# KiCad board Commodore-Vic-20.kicad_pcb (continued)
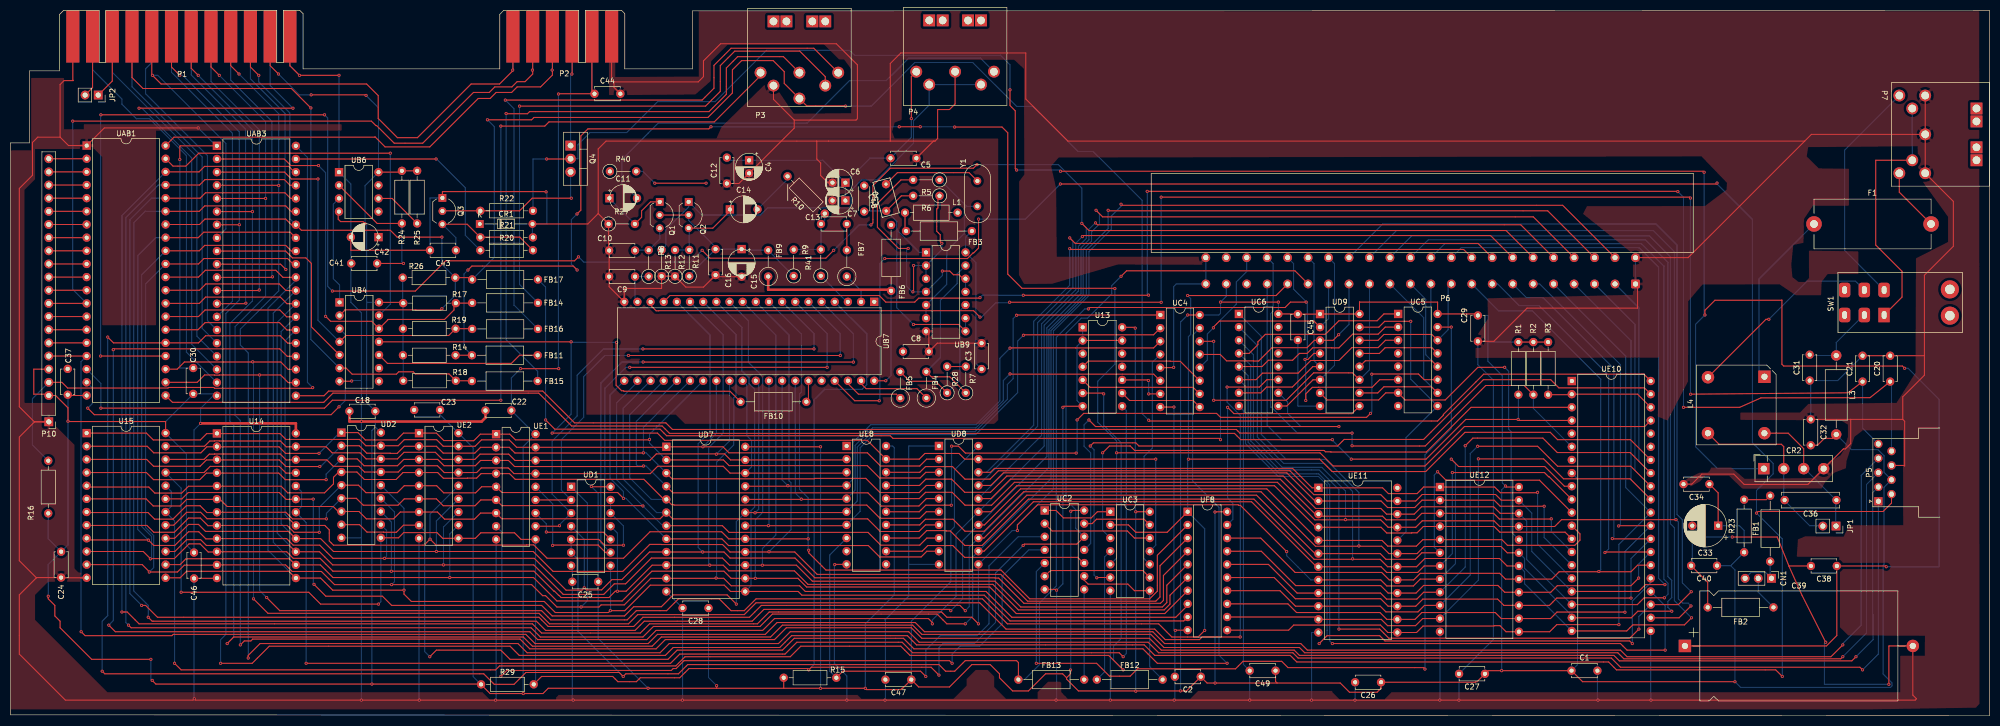
[diagram p0: board, top side]
## Routing (per net, layer and track width the routed paths; a pad name or vN(x,y) marks a point on that pad's centre or on a via; arc(x,y) is an arc through that point) (continued)
  Bottom w0.2: v1(98.3,117.7) 98.3,83.26 FB14.1
Serial_5: length 119.8
  Top w0.2: P3.5 155.11,128.88 139.14,128.88 135.84,125.58 135.84,121.16 133.55,118.87 v1(95.55,118.87)
  Bottom w0.2: FB16.1 97.33,79.2 97.23,79.2 97.23,117.2 v1(95.55,118.87)
SO1: length 32.5
  Top w0.2: UC3.8 217.01,24.14 215.75,25.4 208.08,25.4 207.31,26.16 UC2.9
  Bottom w0.2: FB12.2 219.97,9.44 UC3.8
SO2: length 512.8
  Top w0.2: v1(250.16,79.86) 247.14,79.86 246.1,78.82 208.41,78.82 v1(208.13,78.54) ; v1(17.73,8.59) 18.24,8.08 91.39,8.08 93.42,6.05 97.23,6.05 99.52,8.33 117.55,8.33 v1(118.31,7.57) 118.82,8.08 128.98,8.08 130.76,9.86 179.27,9.86 180.54,8.59 182.32,8.59 184.35,10.62 194.26,10.62 194.61,10.26 FB13.1 ; v1(249.94,68.78) 250.49,68.78 251.65,69.94 UD9.4 ; v1(118.36,32.92) 114.71,32.92 113.59,34.04 UD1.5 ; v1(250.09,60.86) 250.09,62.13 251.36,63.4 252.58,63.4 252.6,63.42 262.91,63.42 264.36,64.87 UC5.6 ; UAB3.25 53.54,71.93 52.12,73.36 37.69,73.36 36.32,71.98 UAB1.25 19.91,71.98 v1(18.8,73.1)
  Bottom w0.2: UD1.5 UD1.6 109.59,30.16 109.59,21.23 109.58,21.22 109.58,16.31 v1(118.31,7.57) ; v1(208.13,78.54) 207.42,78.54 201.93,73.05 201.93,25.03 198.67,21.77 198.67,9.85 195.78,6.96 FB13.1 ; v1(118.36,32.92) 118.36,36.63 UD1.12 UD1.13 ; v1(18.8,73.1) 18.8,19.3 17.73,18.24 v1(17.73,8.59) ; P6.V 247.74,87.29 247.74,82.36 250.16,79.93 v1(250.16,79.86) 250.24,79.86 250.39,79.71 250.39,69.24 v1(249.94,68.78) 250.09,68.63 v1(250.09,60.86)
VIDEO_3: length 89.7
  Bottom w0.2: C11.2 118.06,102.84 118.06,107.39 123.14,112.47 123.14,112.5 125.04,114.4 153.77,114.4 162,122.63 169.11,122.63 173.45,126.96 187.29,126.96 P4.3
VIDEO_4: length 86
  Bottom w0.2: P4.5 P4.4 177.39,117.89 174.36,114.86 174.36,110.51 167.29,103.45 164.32,103.45 162.31,101.44 162.31,98.47 161.9,98.05 146.18,98.05 144.79,96.66 133.51,96.66 Q2.1 130.96,98.24 126.53,93.81 126.53,90.74 R13.2
VRW: length 468.5
  Top w0.2: UD2.10 74.93,34.34 75.93,35.34 82.36,35.34 83.46,34.24 UE2.10 89.76,34.24 90.83,35.31 97.33,35.31 98.6,34.04 UE1.10 ; UC2.12 205.89,33.12 195.78,33.12 v1(195.53,32.87) ; R29.2 102.57,7.57 116.28,7.57 117.3,6.55 120.85,6.55 121.62,7.32 129.24,7.32 131.01,9.09 153.87,9.09 v1(154.13,8.84) 154.64,9.35 177.75,9.35 v1(179.27,7.82) ; v1(71.07,21.54) 59.89,21.54 57.61,23.83 v1(32.97,23.83) ; v1(214.43,84.84) 215.49,85.9 248,85.9 P6.17 ; 55.12,46.84 53.21,46.84 51.92,48.13 38.58,48.13 37.38,46.94 U15.21
  Bottom w0.2: v1(179.27,7.82) 179.27,13.16 180.04,13.92 186.13,13.92 190.2,17.98 190.2,27.53 v1(195.53,32.87) ; UD2.10 71.53,22 v1(71.07,21.54) ; R29.2 101.4,6.4 UE1.10 ; UC2.12 205.69,36.17 205.69,39.78 203.81,41.66 203.81,73.81 206.76,76.76 207.95,76.76 212.63,81.44 212.63,83.04 v1(214.43,84.84) ; v1(154.13,8.84) 155.17,9.88 155.17,60.99 157.2,63.02 164.44,63.02 165.34,63.91 165.34,73.73 UB7.4 ; U15.21 32.97,43.94 v1(32.97,23.83)
~{RES}: length 465.6
  Top w0.2: v1(47.96,123.65) 46.35,125.25 P1.3 ; UE10.40 315.37,65.94 284.43,65.94 276.66,58.17 276.66,58.01 275.54,56.9 219.91,56.9 v1(219.76,57.05) ; R26.2 88.8,84.58 FB17.2 ; v1(83.31,78.59) 83.06,78.33 78.28,78.33 78.25,78.37 64.6,78.37 64.52,78.28 64.52,78.23 UB4.2 ; UAB1.34 36.53,94.84 37.57,95.89 53.15,95.89 54.25,94.79 UAB3.34 56.18,93.73 73.36,93.73 74.68,92.41 v1(83.31,92.41) ; v1(92.1,115.06) 100.63,115.06 101.09,115.52 134.67,115.52 139.4,120.24 139.4,124.71 141.17,126.49 147.27,126.49 149.4,124.36 149.4,122.09 P3.6 153.74,117.75 161.19,117.75 v1(161.24,117.7)
  Bottom w0.2: v1(219.76,57.05) 218.49,58.32 218.49,99.52 209.07,108.94 206.15,108.94 197.44,117.64 194.27,117.64 185.79,126.12 174.61,126.12 166.19,117.7 v1(161.24,117.7) ; v1(83.31,92.41) 83.31,87.17 R26.2 85.9,81.18 v1(83.31,78.59) ; UAB3.34 53.96,95.95 53.96,116.37 47.96,122.38 v1(47.96,123.65) ; v1(92.1,115.06) 93.42,113.74 93.42,88.49 FB17.2
Net-(C13-Pad1): length 12.5
  Bottom w0.2: R9.2 151.26,90.01 R41.2 156.49,90.04 C13.1 157.23,95.68 R10.1
Net-(C13-Pad2): length 5.1
  Top w0.2: FB7.2 C13.2
Net-(C14-Pad2): length 9
  Bottom w0.2: 150.06,104.34 150.06,103.58 C14.2
Net-(C48-Pad1): length 19.3
  Top w0.2: Y1.2 185.09,104.85 171.25,104.85 168.96,102.57
Net-(C48-Pad2): length 55.4
  Top w0.2: R6.2 172.01,100.38 C48.2 ; v1(174.35,75.54) 183.08,75.54 UB9.8
  Bottom w0.2: v1(174.35,75.54) 171.13,78.76 171.13,93.81 ; UB9.9 UB9.8 ; 171.13,93.81 171.13,95.42 C48.2 164.96,97.46 C50.2 ; 171.13,93.81 175.48,89.46 UB9.1
Net-(CN1-Pin_1): length 9.4
  Bottom w0.2: CN1.3 336.06,27.67 338.84,27.67 CN1.1 339.75,26.76 FB1.1
Net-(CN1-Pin_2): length 6.8
  Bottom w0.2: CN1.2 337.45,23.84 FB2.1
Net-(CR1-K): length 31.1
  Top w0.2: 83.31,97.49 R22.1 98.3,97.49 100.74,99.92 v1(108.31,99.92)
  Bottom w0.2: v1(108.31,99.92) 108.15,100.08 Q4.3
Net-(CR2-+): length 493.7
  Top w0.2: v1(327.15,77.37) 327.15,78.28 329.08,80.21 341.99,80.21 342.01,80.24 342.01,67.87 342.37,67.51 365.28,67.51 v1(365.71,67.08) ; v1(192.99,120.85) 192.99,117.81 194.01,116.79 194.01,105.61 v1(194.26,105.36) ; 108,107.49 v1(103.53,107.49) ; v1(327,104.93) 326.8,105.13 v1(202.74,105.13) ; C39.1 350.61,13.46 352.61,15.47 C38.1 362,28.91 v1(362.15,28.75)
  Bottom w0.2: v1(365.71,67.08) 366.37,67.08 372.36,61.09 372.36,28.75 v1(362.15,28.75) ; v1(192.99,120.85) 192.99,125.68 191.16,127.51 162.96,127.51 162,128.47 145.97,128.47 136.06,118.57 124.96,118.57 118.99,112.59 111.91,112.59 109.58,110.26 109.58,107.54 Q4.2 ; v1(202.74,105.13) 202.51,105.36 v1(194.26,105.36) ; CR2.1 329.58,47.69 325.35,51.92 325.35,75.57 v1(327.15,77.37) 327,77.52 v1(327,104.93) ; R22.2 100.89,107.49 v1(103.53,107.49)
Net-(F1-Pad1): length 34.3
  Bottom w0.2: L4.1 337.59,66.49 337.59,84.32 F1.1
Net-(FB1-Pad2): length 5.3
  Top w0.2: R23.2 338.99,41.71 FB1.2
Net-(FB3-Pad2): length 3.6
  Top w0.2: L1.1 172.72,93.78 FB3.2
Net-(FB4-Pad2): length 33
  Top w0.2: FB4.2 177.81,65.43 181.36,65.43 R7.1
  Bottom w0.2: UB9.13 182.78,85.29 182.78,83.44 179.55,80.21 179.55,69.13 FB4.2
Net-(FB5-Pad2): length 29.2
  Top w0.2: R28.1 178.61,64.57 173.63,64.57 FB5.2
  Bottom w0.2: R28.1 183.3,64.79 183.3,78.2 UB9.10
Net-(FB11-Pad2): length 32
  Top w0.2: UB4.10 72.8,68.02 96.72,68.02 98.3,69.6 FB11.2
Net-(FB12-Pad1): length 25.9
  Bottom w0.2: FB12.1 211.25,8.46 211.25,30.66 UC3.4
Net-(FB13-Pad2): length 17.4
  Bottom w0.2: UC2.8 FB13.2
Net-(JP1-Pin_1): length 26.5
  Top w0.2: L4.4 343.23,54.54 346.22,51.55 CR2.3
  Bottom w0.2: 352.39,36.68 352.4,36.68 352.4,41.66 ; CR2.3 346.4,47.69 352.5,41.59
Net-(JP1-Pin_2): length 35.6
  Top w0.2: CR2.2 342.37,51.94 341.91,52.4 329.88,52.4 L4.3
  Bottom w0.2: 342.5,41.59 342.37,41.72 CR2.2 ; 342.4,41.66 347.38,36.68 349.85,36.68
Net-(JP2-Pin_1): length 12.4
  Top w0.2: P1.10 19.68,122.55 JP2.1
Net-(JP2-Pin_2): length 11.9
  Top w0.2: P1.11 15.87,121.28 JP2.2
Net-(P1-ATN-IN): length 124.3
  Top w0.2: UB4.6 64.82,67.11 65.99,65.94 74.52,65.94 74.98,66.4 77.77,66.4 78.18,65.99 84.68,65.99 R18.2 89.05,64.67 FB15.2 ; v1(58.01,117.35) 54.25,121.11 25.6,121.11 23.49,123.22 P1.9
  Bottom w0.2: v1(58.01,117.35) 58.01,72.64 UB4.6
Net-(P1-CB1): length 102.4
  Top w0.2: v1(24.84,117.3) v1(54.56,117.3)
  Bottom w0.2: P1.B 50.16,121.7 v1(54.56,117.3) ; UAB3.18 35,71.73 35,107.7 25.41,117.3 v1(24.84,117.3)
Net-(P1-CB2): length 78.2
  Bottom w0.2: P1.M 15.87,124.74 21.54,119.08 21.54,118.06 24.33,115.27 26.87,115.27 33.99,108.15 33.99,70.21 UAB3.19
Net-(P1-CSWITCH): length 141.7
  Top w0.2: P2.6 97.03,124.71 v1(96.98,124.66) 97.03,124.61 97.03,124.56 94.44,121.97 88.95,121.97 78.59,111.61 74.73,111.61 71.02,115.32 71.02,119.74 68.78,121.97 29.11,121.97 v1(27.43,123.65) 27.3,123.78 P1.8
  Bottom w0.2: v1(27.43,123.65) 28.46,123.65 41.61,110.51 41.61,93.98 UAB3.8 ; P2.6 97.03,124.71 v1(96.98,124.66)
Net-(P1-PB0): length 61.5
  Top w0.2: v1(53.19,86.16) 52.17,87.17 UAB3.10
  Bottom w0.2: v1(53.19,86.16) 53.04,86.31 53.04,116.28 46.35,122.97 P1.C
Net-(P1-PB1): length 60.5
  Top w0.2: UAB3.11 50.5,84.63 v1(50.6,84.73)
  Bottom w0.2: P1.D 42.54,122.71 50.5,114.76 50.5,84.84 v1(50.6,84.73)
Net-(P1-PB2): length 61
  Top w0.2: v1(48.06,82.19) 47.96,82.09 UAB3.12
  Bottom w0.2: P1.E 38.73,122.46 48.06,113.13 v1(48.06,82.19)
Net-(P1-PB3): length 61.5
  Top w0.2: UAB3.13 45.36,79.55 v1(45.47,79.65)
  Bottom w0.2: P1.F 34.92,123.73 45.42,113.23 45.42,79.71 v1(45.47,79.65)
Net-(P1-PB4): length 60.2
  Bottom w0.2: P1.H 31.11,124.24 42.88,112.47 42.88,80.01 UAB3.14
Net-(P1-PB5): length 62.8
  Bottom w0.2: P1.J 27.3,126.11 26.11,124.92 26.11,120.09 38.05,108.15 38.05,76.3 UAB3.15
Net-(P1-PB6): length 66
  Bottom w0.2: UAB3.16 37.03,74.78 37.03,107.9 23.49,121.44 P1.K
Net-(P1-PB7): length 70.1
  Bottom w0.2: UAB3.17 36.02,73.25 36.02,107.9 19.68,124.24 P1.L
Net-(P5-Pin_5): length 309.1
  Top w0.2: UB7.18 123.6,79.25 124.66,78.18 125.17,78.18 125.19,78.2 185.96,78.2 v1(187.2,76.96) ; v1(192.91,79.83) 222.15,79.83 v1(222.17,79.81) ; v1(324.36,99.95) 324.18,100.13 v1(222.17,100.13) ; v1(324.38,62.08) 354.75,62.34 C21.1
  Bottom w0.2: v1(324.38,62.08) 324.36,62.1 v1(324.36,99.95) ; v1(187.2,76.96) 187.5,76.96 190.27,79.73 192.81,79.73 v1(192.91,79.83) ; v1(222.17,79.81) v1(222.17,100.13) ; P5.5 357.58,55.52 C21.1
Net-(P5-Pin_9): length 314.8
  Top w0.2: v1(219.74,81.2) 219.71,81.18 v1(195.55,81.18) ; v1(219.48,101.24) 321.87,101.24 v1(321.92,101.19) ; UB7.17 127.36,81.13 167.74,81.13 169.01,79.86 174.6,79.86 175.36,80.62 187.1,80.62 v1(187.2,80.72) ; v1(323.01,59.54) 333.86,59.54 337.97,61.36 359.02,61.4 C20.1
  Bottom w0.2: v1(323.01,59.54) 323.01,100.1 v1(321.92,101.19) ; v1(219.74,81.2) 219.48,81.46 v1(219.48,101.24) ; C20.1 363.17,64.25 P5.9 ; v1(187.2,80.72) 187.66,81.18 v1(195.55,81.18)
Net-(P6-~{RES}): length 196.9
  Top w0.2: v1(103.33,57.1) 105.11,55.32 125.43,55.32 126.7,54.05 169.88,54.05 170.38,53.54 233.38,53.54 v1(233.63,53.29)
  Bottom w0.2: v1(233.63,53.29) 233.63,76.4 236.68,79.45 236.68,83.75 238.69,85.77 P6.X ; FB17.1 103.33,82.75 v1(103.33,57.1)
Net-(Q1-B): length 22.2
  Top w0.2: v1(124.41,102.82) v1(134.32,102.82)
  Bottom w0.2: C10.1 120.66,89.89 R8.2 125.37,92.02 Q1.3 ; v1(124.41,102.82) 122.12,105.11 R40.2
Net-(Q1-C): length 38.9
  Top w0.2: Q1.2 Q2.2
  Bottom w0.2: C16.1 136.14,90.45 130.96,95.64 Q2.2 ; C16.1 136.16,90.09 C15.1 141.39,89.88 FB9.2 146.3,89.84 R9.1 ; C16.1 131.06,85 R11.1
Net-(Q1-E): length 14.3
  Top w0.2: Q1.1 123.6,99.21 121.87,97.49 121.87,96.24 120.57,94.95
  Bottom w0.2: 115.65,99.92 115.65,99.87 120.57,94.95
Net-(Q2-B): length 16.6
  Top w0.2: Q2.3 135.61,94.13 138.91,97.43 C14.1
  Bottom w0.2: Q2.3 131.06,94.03 R11.2 131.04,89.92 R12.2
Net-(Q3-B): length 25.7
  Top w0.2: R20.2 98.35,92.41 90.78,92.41 R21.1 88.19,94.89 Q3.3
  Bottom w0.2: C43.1 86.02,92.29 Q3.3
Net-(Q4-E): length 28.4
  Top w0.2: v1(108.41,123.9) 108.46,123.95 P2.3
  Bottom w0.2: P2.3 108.46,123.95 v1(108.41,123.9) 108.15,123.65 Q4.1
Net-(R5-Pad1): length 34.2
  Bottom w0.2: 184.58,98.35 179.48,103.45 R5.1 ; 184.58,98.35 184.18,97.94 184.18,93.09 180.77,89.69 180.77,83.29 UB9.5 UB9.6 ; 184.58,98.35 Y1.1
Net-(R5-Pad2): length 71.1
  Top w0.2: v1(174.37,86.92) 174.37,81.97 v1(174.24,81.84) ; v1(179.83,91.21) 179.53,91.52 179.53,92.86 178.84,93.55 178.84,97.82 179.07,98.04 179.07,100.07 R6.1 ; R5.2 171.93,103.45 167.39,98.91 167.39,94.31 171.48,90.22 v1(173.33,90.22) ; UB9.12 183.92,84.38 183.16,85.14 182.07,85.14 181.36,85.85 v1(179.93,85.85)
  Bottom w0.2: UB9.2 179.83,89.97 v1(179.83,91.21) ; UB9.2 UB9.3 ; UB9.2 v1(174.37,86.92) ; v1(179.93,85.85) 179.93,84.99 UB9.4 v1(174.24,81.84) ; v1(173.33,90.22) 173.02,89.92 173.02,82.91 174.09,81.84 v1(174.24,81.84) ; v1(174.24,81.84) 174.19,81.79 ; UB9.12 UB9.11
Net-(SW1A-B): length 14.3
  Bottom w0.2: C31.2 347.53,69.55 L3.1 352.5,72.05 357.15,76.7
Net-(SW1B-B): length 38.6
  Top w0.2: L4.2 338.93,76.53 v1(339.49,76.53)
  Bottom w0.2: SW1.5 356.23,83.89 346.85,83.89 v1(339.49,76.53)
Net-(U14-~{CS}): length 245.5
  Top w0.2: v1(214.83,11.38) 214.07,12.14 174.19,12.14 172.16,14.17 151.84,14.17 149.56,11.89 129.24,11.89 127.46,10.11 v1(57.1,10.11)
  Bottom w0.2: v1(57.1,10.11) 57.1,37.29 U14.18 56.22,40.37 56.22,43.25 U14.20 ; v1(214.83,11.38) 215.44,11.99 215.44,58.95 U13.8
Net-(U15-~{CS}): length 283.6
  Top w0.2: v1(31.7,10.11) 32.97,8.84 93.68,8.84 94.44,9.6 128.47,9.6 130.25,11.38 150.57,11.38 152.6,13.41 171.91,13.41 173.69,11.63 212.04,11.63 v1(214.83,8.84) ; U13.6 210.92,62.29 v1(211.07,62.13)
  Bottom w0.2: v1(211.07,62.13) 211.07,56.09 214.45,52.71 214.45,14.88 212.98,13.41 212.98,10.69 v1(214.83,8.84) ; U15.20 31.07,43.3 31.07,40.42 U15.18 31.7,37.59 v1(31.7,10.11)
Net-(UAB1-CA1): length 95.8
  Top w0.2: UAB1.40 31.6,111.71 70.36,111.71 70.41,111.76 72.34,109.83 80.98,109.83 90.32,119.18 92.61,119.18 93.78,120.35 96.77,120.35 97.84,121.41 102.36,121.41 104.65,123.7 104.65,124.61 v1(104.6,124.66) 104.65,124.71 P2.4
  Bottom w0.2: P2.4 104.65,124.71 v1(104.6,124.66)
Net-(UAB1-CA2): length 77.3
  Top w0.2: v1(73.36,108.61) 36.37,108.61 33.88,106.12 31.39,106.12 UAB1.39
  Bottom w0.2: v1(73.36,108.61) 73.36,79.45 UB4.13
Net-(UAB1-CB2): length 71.5
  Top w0.2: v1(63.45,59.64) 61.93,58.12 16.21,58.12 v1(14.94,59.39)
  Bottom w0.2: v1(63.45,59.64) 64.65,60.84 64.65,73.63 UB4.3 ; v1(14.94,59.39) 15.83,60.28 15.83,63.26 UAB1.19
Net-(UAB1-PA0): length 7.3
  Top w0.2: P10.20 UAB1.2
Net-(UAB1-PA1): length 7.3
  Top w0.2: P10.19 UAB1.3
Net-(UAB1-PA2): length 7.3
  Top w0.2: P10.18 UAB1.4
Net-(UAB1-PA3): length 7.3
  Top w0.2: P10.17 UAB1.5
Net-(UAB1-PA4): length 7.3
  Top w0.2: P10.16 UAB1.6
Net-(UAB1-PA5): length 7.3
  Top w0.2: P10.15 UAB1.7
Net-(UAB1-PA6): length 7.3
  Top w0.2: UAB1.8 P10.14
Net-(UAB1-PA7): length 7.3
  Top w0.2: P10.13 UAB1.9
Net-(UAB1-PB0): length 7.3
  Top w0.2: UAB1.10 P10.12
Net-(UAB1-PB1): length 7.3
  Top w0.2: P10.11 UAB1.11
Net-(UAB1-PB2): length 7.3
  Top w0.2: UAB1.12 P10.10
Net-(UAB1-PB3): length 153.5
  Top w0.2: P2.5 100.84,124.71 v1(100.79,124.66) 100.84,124.61 100.84,123.9 99.36,122.43 97.84,122.43 96.82,121.41 93.52,121.41 92.46,120.35 89.41,120.35 79.6,110.54 74.12,110.54 70.71,113.94 70.56,113.94 69.7,114.81 v1(12.04,114.81) ; P10.9 UAB1.13
  Bottom w0.2: UAB1.13 12.04,82.3 v1(12.04,114.81) ; v1(100.79,124.66) 100.84,124.71 P2.5
Net-(UAB1-PB4): length 7.3
  Top w0.2: UAB1.14 P10.8
Net-(UAB1-PB5): length 7.3
  Top w0.2: P10.7 UAB1.15
Net-(UAB1-PB6): length 7.3
  Top w0.2: UAB1.16 P10.6
Net-(UAB1-~{CS2}): length 329.3
  Top w0.2: v1(237.44,15.19) 230.07,15.19 229.57,14.68 222.96,14.68 220.93,16.71 192.23,16.71 187.15,21.79 143.97,21.79 141.68,19.51 121.11,19.51 119.33,17.73 104.09,17.73 102.06,19.76 49.73,19.76 v1(46.94,22.56) ; v1(234.9,63.45) 241.15,63.45 242.57,64.87 UC6.11 ; UAB1.23 32.21,66.9 33.6,68.29 46.75,68.29 v1(46.79,68.33) 46.82,68.29 52.2,68.29 53.64,66.85 UAB3.23
  Bottom w0.2: v1(234.9,63.45) 234.9,60.52 237.44,57.98 v1(237.44,15.19) ; v1(46.79,68.33) 46.94,68.17 v1(46.94,22.56)
Net-(UAB3-CA1): length 117.3
  Top w0.2: v1(58.37,63.35) 58.23,63.21 39.42,63.21 39.26,63.37 30.54,63.37 30.43,63.26 11.06,63.26 9.96,64.36 P10.3
  Bottom w0.2: P10.3 4.27,61.21 4.27,52.27 R16.2 ; v1(58.37,63.35) 57.35,64.36 57.35,107.8 UAB3.40
Net-(UAB3-CA2): length 48.3
  Top w0.2: UAB3.39 v1(82.19,107.49)
  Bottom w0.2: R20.1 87.83,92.76 87.83,101.94 82.28,107.49 v1(82.19,107.49)
Net-(UAB3-PA0): length 81.8
  Top w0.2: FB14.2 89.1,79.65 R17.2 85.65,79.3 85.65,78.33 83.82,76.5 72.85,76.5 72.85,76.4 UB4.12 69.75,76.15 61.82,76.15 v1(60.86,77.11) ; v1(59.49,106.22) 54.15,106.22 52.88,107.49 UAB3.2
  Bottom w0.2: v1(60.86,77.11) 60.86,104.85 v1(59.49,106.22)
Net-(UAB3-PA1): length 79.9
  Top w0.2: v1(59.39,103.63) 54.25,103.63 52.93,104.95 UAB3.3 ; FB16.2 89.1,74.73 R19.2 84.63,73.41 64.77,73.41 UB4.4
  Bottom w0.2: UB4.4 59.39,76.35 v1(59.39,103.63)
Net-(UAB3-PA7): length 39.2
  Top w0.2: UB4.5 58.12,75.08 58.12,87.33 57.05,88.39 54.46,88.39 53.14,89.71 UAB3.9
Net-(UB6-DIS): length 9.5
  Top w0.2: R25.2 73.71,99.87 UB6.6
Net-(UB6-Q): length 21
  Bottom w0.2: UB6.3 62.35,98.77 62.35,84.36 63.55,83.16 UB4.1
Net-(UB6-TR): length 28.1
  Top w0.2: UB6.2 70.82,95.05 R24.2 ; C41.1 v1(75.9,87.33)
  Bottom w0.2: v1(75.9,87.33) 75.59,87.63 R24.2
Net-(UB7-COMP-C): length 6
  Bottom w0.2: FB7.1 164.24,82.06 UB7.2
Net-(UB7-COMP-S): length 7.7
  Bottom w0.2: UB7.19 120.6,80.37 C9.1 120.62,84.81 R8.1
Net-(UB7-PФ1): length 4.2
  Top w0.2: UB7.35 154.08,61.01 FB10.1
Net-(UB7-SYCLU): length 7.3
  Bottom w0.2: R41.1 161.49,79.91 UB7.3
Net-(UB7-VCC): length 46.4
  Top w0.2: UB7.40 v1(169.01,64.67)
  Top w0.5: FB6.2 169.82,82.25 146.3,82.25 FB9.1
  Bottom w0.2: v1(169.01,64.67) 170.03,65.68 FB6.2
Net-(UB7-Ф1IN): length 14.3
  Top w0.2: UB7.39 164.24,64.11 165.2,63.14 175.02,63.14 FB4.1
Net-(UB7-Ф2IN): length 11.8
  Top w0.2: FB5.1 171.04,62.08 163.73,62.08 161.7,64.11 UB7.38
Net-(UB9E-VCC): length 28.4
  Bottom w0.2: C3.1 186.4,68.03 186.4,87.46 UB9.14 184.4,92.35 FB3.1
Net-(UC2-Pad1): length 13.7
  Top w0.2: UC2.1 201.88,39.62 203.32,38.18 208.67,38.18 209.86,39.38 UC3.1
Net-(UC2-Pad2): length 21.4
  Top w0.2: UC2.2 201.12,35.66 215.65,35.66 217.01,34.3 UC3.12
Net-(UC2-Pad6): length 21.3
  Top w0.2: UC3.9 218.62,28.02 200.85,28.02 200.66,27.84 200.61,27.84 UC2.6
Net-(UC2-Pad13): length 13.5
  Top w0.2: UC2.13 208.84,37.08 209.69,37.94 218.87,37.94 UC3.13
Net-(UC4-E1): length 42.3
  Bottom w0.2: UC3.10 218.8,30.39 218.8,35.81 218.87,35.89 218.87,50.07 220.47,51.66 220.47,68.22 UC4.4
Net-(UC4-O0): length 269.3
  Top w0.2: UE2.8 75.9,36.78 74.52,35.41 72.09,35.41 72.05,35.44 68.85,35.44 67.41,36.88 UD2.8 ; v1(234.9,10.11) 221.44,10.11 218.64,12.9 174.45,12.9 172.42,14.94 151.33,14.94 149.05,12.65 128.73,12.65 126.95,10.87 96.47,10.87 94.69,12.65 82.25,12.65 v1(80.98,11.38)
  Bottom w0.2: UC4.15 228.24,73.46 228.24,45.31 233.35,40.21 233.35,11.66 v1(234.9,10.11) ; v1(80.98,11.38) 79.99,12.36 79.99,35.68 UE2.8
Net-(UC4-O4): length 24.6
  Top w0.2: U13.4 208.12,68.47 223.89,68.47 223.93,68.43 225.86,68.43 UC4.11
Net-(UC4-O5): length 23.7
  Top w0.2: UC4.10 228.35,63.4 208.45,63.4 U13.5
Net-(UC4-O6): length 16.1
  Top w0.2: UC4.9 228.35,60.86 216.07,60.86 U13.9
Net-(UC4-O7): length 10
  Top w0.2: v1(219.71,64.72) 219.6,64.83 U13.10 ; UC4.7 v1(219.76,62.13)
  Bottom w0.2: v1(219.76,62.13) 219.76,64.67 v1(219.71,64.72)
Net-(UC6-O5): length 91
  Top w0.2: v1(208.23,57.1) 209.5,55.83 v1(256.49,55.83)
  Bottom w0.2: UC6.10 246.58,60.55 246.58,58.37 249.12,55.83 v1(256.49,55.83) ; v1(208.23,57.1) 207.29,56.16 207.29,52.02 208.56,50.75 208.56,33.25 UC2.11
Net-(UD8-CE): length 236.5
  Top w0.2: FB10.2 138.94,62.64 118.47,62.64 118.36,62.74 118.01,62.74 116.94,63.8 116.94,71.98 v1(117.04,72.09) ; v1(104.6,54.56) 124.92,54.56 126.31,53.17 165.42,53.17 UE8.19 175.46,49.53 176.56,50.63 183.15,50.63 184.25,49.53 UD8.19 v1(221.13,49.53) ; UB4.11 v1(108.25,72.19)
  Bottom w0.2: v1(117.04,72.09) 108.36,72.09 v1(108.25,72.19) 108.25,58.22 v1(104.6,54.56) ; UC3.11 221.13,32.91 v1(221.13,49.53)
Net-(UE1-CS): length 151.5
  Top w0.2: v1(94.69,7.57) 95.85,8.73 127.6,8.73 127.97,9.09 128.53,9.09 130.05,10.62 181.31,10.62 v1(181.81,10.11)
  Bottom w0.2: v1(181.81,10.11) 181.81,11.89 183.34,13.41 187.15,13.41 191.47,17.73 191.47,26.87 196.6,32 UC2.4 ; v1(94.69,7.57) 94.88,7.75 94.88,35.48 UE1.8
Net-(UE10-RDY): length 20.9
  Top w0.2: UE10.38 314.15,62.08 UE10.2 301.35,61.98 R3.2
Net-(UE10-Ø0(IN)): length 366.6
  Top w0.2: v1(109.42,86.06) 108.66,86.82 89.1,86.82 v1(88.34,86.06) ; v1(213.23,82.47) 213.18,82.52 195.3,82.52 192.56,85.27 192.56,112.55 191.44,113.67 v1(182.3,113.67) ; v1(135.25,113.72) 134.85,113.31 111.51,113.31 110.13,111.94 110.13,97.61 v1(109.4,96.88) ; v1(171.6,113.72) v1(175.67,113.72) ; v1(213.56,50.75) 252.83,50.75 255.37,48.21 273.1,48.21 280.72,55.83 315.52,55.83 UE10.37 ; R14.2 FB11.1
  Bottom w0.2: v1(88.34,86.06) 87.58,85.29 87.58,71.12 FB11.1 ; v1(175.67,113.72) 182.25,113.72 v1(182.3,113.67) ; v1(171.6,113.72) v1(135.25,113.72) ; v1(109.4,96.88) 108.31,95.78 108.31,87.17 v1(109.42,86.06) ; v1(213.23,82.47) 213.23,67.87 209.93,64.57 209.93,56.67 213.56,53.04 v1(213.56,50.75) 213.56,30.42 UC3.5
Net-(UE10-Ø1(OUT)): length 112.3
  Top w0.2: v1(210.87,50.75) 212.19,52.07 216.2,52.07 217.07,51.21 253.64,51.21 253.9,50.95 254.91,50.95 254.97,50.9 273.35,50.9 281.99,59.54 UE10.3
  Bottom w0.2: UC3.3 210.87,35.78 v1(210.87,50.75)
Net-(UE10-Ø2(OUT)): length 143.8
  Top w0.2: UC3.6 209.81,26.68 v1(209.75,26.62) ; UE10.39 315.47,63.3 298.96,63.3 297.38,64.87 284.38,64.87 272.85,53.34 257.51,53.34 256.24,52.07 217.88,52.07 217.27,52.68 209.09,52.68 v1(208.48,52.07)
  Bottom w0.2: v1(208.48,52.07) 209.22,51.33 209.22,27.15 v1(209.75,26.62)
Net-(UF8-CE): length 50.2
  Top w0.2: UD9.9 259,58.32 236.22,58.32 v1(235,59.54)
  Bottom w0.2: v1(235,59.54) 235,42.04 236.01,41.03 236.01,37.93 UF8.19

## Copper pours and planes (outline as drawn; the poured copper is in the pictures)
GND on Top: 111.2,111.46 190.7,111.46 190.7,57.1 189.94,56.34 130.25,56.34 128.47,58.12 111.2,58.12
GND on Top: 17.73,75.39 28.14,75.39 28.14,112.98 63.96,112.98 63.96,114.25 14.17,114.25 14.17,113.23 10.36,113.23 10.36,123.14 4.01,123.14 4.01,109.17 0.2,109.17 -0.05,108.92 -0.05,1.22 359.36,1.22 379.46,1.54 380.16,2.3 380.11,136.02 132.91,136.03 132.91,123.4 116.78,123.34 116.78,126.11 115.56,126.11 115.57,119.82 132.25,119.95 135.21,122.54 135.29,126.36 138.51,129.61 157,129.68 160.01,126.72 160.96,126.7 162.4,124.81 162.32,116.33 151.24,116.24 148.37,120.51 148.52,121.95 147.91,122.87 146.75,122.86 146.06,122.27 137.28,113.65 136.31,111.43 170.73,111.43 170.23,112.74 170.73,114.52 172.07,115.05 172.21,126.65 193.79,126.65 195.67,124.91 195.76,104.49 194.75,103.14 194.71,85.1 195.71,83.35 201.11,83.39 213.77,87.11 231.29,87.07 229.62,88.62 202.02,88.62 201.9,101.83 200.94,106.09 202.38,107.77 326.49,107.99 331.4,102.89 331.32,101.55 327.14,98.4 304.39,98.38 303.61,96.9 313.25,89.19 313.26,81.26 285.18,80.59 285.25,76.6 282.87,72.98 282.86,69.08 318.27,69.14 318.06,57.76 319.94,56.98 323.9,64.54 323.93,80.01 326.66,83.24 341.56,83.29 344.67,81.18 349.58,81.18 349.69,83.78 350.84,85.27 356.79,85.25 356.77,89.65 347.22,89.79 347.25,84.53 346.59,83.77 345.2,83.76 344.04,84.69 343.83,87.08 344.21,90.88 346.18,91.3 346.3,95.94 347.99,98.45 354.96,98.47 354.96,105.6 349.14,105.68 346.8,107.98 347.09,109.78 368.21,109.95 368.38,104.22 374.09,96.32 374.09,91.47 367.89,88.3 367.81,66.24 364.15,60.4 347.12,60.21 345.52,58.53 333.98,58.53 333.98,57.11 353.39,57.01 354.76,56.21 354.76,53.85 353.96,51.32 353.36,50.29 352.3,49.64 351.23,49.14 348.03,45.88 334.83,45.73 332.27,47.91 328.35,47.9 328.11,47.33 327.72,46.94 326.09,46.9 323.75,45.78 322.48,45.5 322.01,44.93 322.01,44.21 322.53,43.72 323.45,43.74 326.2,45.23 327.13,46.32 331.79,46.32 334.37,43.84 349.68,43.86 350.4,45.15 352.14,46.92 354.37,47.77 354.51,49.22 356.01,53.84 357.63,55.1 365.39,55.11 365.43,36.78 354.97,36.76 353.93,34.56 346.5,34.62 345.11,34.04 344.88,30.69 353.08,30.66 352.97,17.31 354.83,15.49 369.62,15.43 369.6,11.56 364.86,11.57 364.86,4.52 266.65,4.52 265.38,3.25 265.38,3 256.74,3 255.22,4.52 255.22,4.78 229.31,4.78 227.79,3.25 204.17,3.25 202.9,4.52 202.9,6.3 202.64,6.55 200.36,6.55 198.32,4.52 198.32,3.25 192.23,3.25 189.94,5.54 189.94,7.57 188.67,8.84 186.39,8.84 184.61,7.06 184.61,5.79 182.07,3.25 164.29,3.25 163.53,4.01 105.87,4.01 105.36,3.51 105.36,3 92.66,3 91.14,4.52 18.75,4.52 4.78,18.49 4.78,23.32 7.32,25.86 15.7,25.86 15.7,27.64 13.16,27.64 12.4,28.4 12.4,52.27 8.59,56.08 8.59,60.4 2.74,60.4 2.74,101.55 4.78,103.58 4.78,109.42 16.21,109.42 17.73,107.9
